# KiCad board Env-KB60F.kicad_pcb (continued)
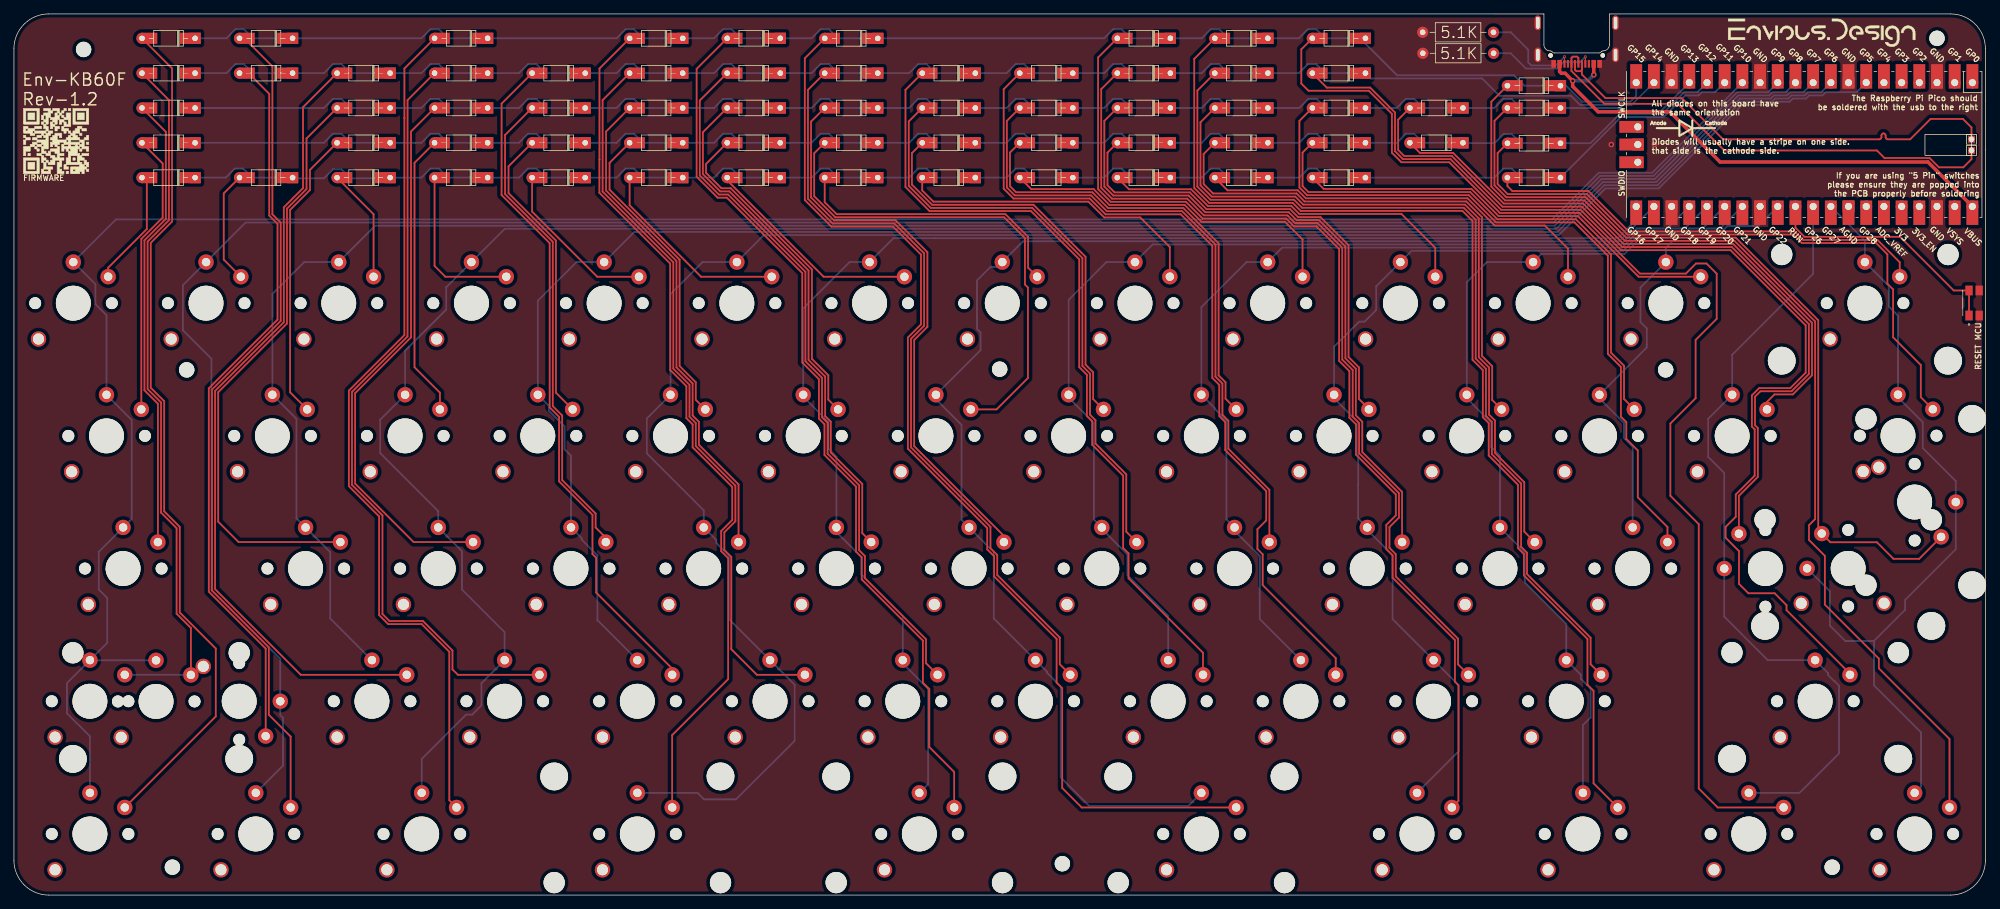
[diagram p0: board, top side]
## Nets (continued)
Net-(D_59-Pad2): D_59.2 K_61.2
Net-(D_60-Pad2): D_60.2 K_62.2
Net-(D_61-Pad2): D_61.2 K_63.2
Net-(D_62-Pad2): D_62.2 K_64.2
Net-(D_63-Pad2): D_63.2 K_65.2
Net-(D_590-Pad2): D_590.2 K_610.2
Net-(D_591-Pad2): D_591.2 K_612.2

Pads without a net: U1 1 2 4 5 6 33 34 35 36 37 39 41 42 43; USB1 A8 B8

## Via types
v1: diameter 0.8, hole 0.4, Top to Bottom, 4 vias
v2: diameter 0.4, hole 0.2, Top to Bottom, 2 vias

## Routing (per net, layer and track width the routed paths; a pad name or vN(x,y) marks a point on that pad's centre or on a via; arc(x,y) is an arc through that point)
GND:
  vias: v1(229.3,107.75) v1(235.5,107.75)
VBUS: length 73.8
  Top w0.5: v1(226.79,117.77) 226.77,117.78 USB1.A4 ; U1.40 274.75,105.24 244.92,105.24 237.71,112.45 227.41,112.45 223.75,116.11 v1(223.75,116.9) 222.67,117.98 222.12,117.98 221.88,118.22 USB1.A9
  Bottom w0.5: v1(226.79,117.77) 225.92,116.9 v1(223.75,116.9)
col0: length 345.6
  Bottom w0.25: U1.14 235.17,103.7 227.5,103.7 220.8,97 14.65,97 K_1.1 11.7,87.7 11.7,84.83 13.29,83.24 K_15.1 16.9,68.21 16.9,54.01 K_30.1 12.17,49.28 12.17,43.88 13.4,42.65 13.4,36.22 K_45.1 7.62,30.44 7.62,26.07 10.91,22.79 K_58.1 ; K_44.1 10.93,33.7
col1: length 321.4
  Bottom w0.25: K_59.1 38.62,18.58 38.62,25.43 38.24,25.81 K_46.1 38.24,33.89 28.35,43.78 28.35,77 24.25,81.1 24.25,87.55 K_2.1 33.25,96.55 221,96.55 227.7,103.25 235.36,103.25 247.36,115.25 251.8,115.25 U1.12
col2: length 289.7
  Bottom w0.25: U1.11 254.34,115.25 252.44,115.25 251.99,114.8 247.54,114.8 235.54,102.8 227.89,102.8 221.19,96.1 51.85,96.1 K_3.1 41.67,90.88 37.1,86.3 K_16.1 40.55,68.38 40.55,54.09 K_31.1 45.4,49.24 45.4,39.71 K_47.1
col3: length 297.7
  Bottom w0.25: K_60.1 58.53,19.53 64.91,25.91 65.79,25.91 67.1,27.22 67.1,30.39 K_48.1 70.44,37.74 64.32,43.85 64.32,49.36 K_32.1 60.91,55.11 52.57,63.45 52.57,68.25 K_17.1 56.15,78.15 62.05,84.05 62.05,87.25 K_4.1 70.45,95.65 221.38,95.65 228.08,102.35 235.73,102.35 247.73,114.35 252.17,114.35 252.62,114.8 254.53,114.8 254.98,115.25 256.88,115.25 U1.10
col4: length 256.1
  Bottom w0.25: K_49.1 83.75,39.46 83.75,48.78 81.5,51.03 81.5,51.24 K_33.1 79.96,63.09 79.03,64.03 79.03,67.3 76.8,69.53 76.8,70.22 K_18.1 75.2,85.33 80.75,90.88 K_5.1 89.05,95.2 221.57,95.2 228.27,101.9 235.92,101.9 247.92,113.9 252.36,113.9 252.81,114.35 254.71,114.35 255.16,114.8 257.07,114.8 257.52,115.25 259.42,115.25 U1.9
col5: length 285
  Bottom w0.25: K_610.1 98.12,14.68 99.06,13.74 103.66,13.74 112.07,22.15 112.07,30.19 K_50.1 102.72,39.54 102.72,48.66 100.83,50.55 100.83,50.96 K_34.1 99.01,55.24 90.85,63.4 90.85,68.42 K_19.1 94.25,86.28 98.85,90.88 K_6.1 107.65,94.75 221.75,94.75 228.45,101.45 236.1,101.45 248.1,113.45 252.55,113.45 253,113.9 254.9,113.9 255.35,114.35 257.25,114.35 257.7,114.8 259.61,114.8 260.06,115.25 264.5,115.25 U1.7
col6: length 202.8
  Bottom w0.25: K_51.1 127.59,40.09 121.65,46.03 121.65,48.53 118.06,52.11 ; U1.21 232.87,96.96 230.21,94.3 221.94,94.3 221.94,94.3 220.8,94.3 132.2,94.3 126.25,94.3 K_7.1 119.95,90.88 113.3,84.22 K_20.1 ; K_61.1 131.22,15.93 131.22,29.62 127.59,33.26 ; 113.3,71.55 116.93,67.92 116.93,64.08 118.06,62.94 K_35.1
col7: length 205.2
  Bottom w0.25: U1.22 230.4,93.85 144.85,93.85 K_8.1 141.18,90.17 140.18,90.17 138.25,88.25 138.25,81.28 138.76,80.76 138.76,78.24 K_21.1 ; 132.35,71.17 136.03,67.5 136.03,53.86 K_36.1 140.65,49.24 140.65,39.71 K_52.1 148.3,32.06 148.3,31.9 150.25,29.95 150.25,16.9 154.35,12.8 168.57,12.8 K_612.1
col8: length 151.7
  Bottom w0.25: K_53.1 165.69,40.06 159.85,45.9 159.85,48.88 156.16,52.56 ; U1.24 237.33,95.7 232.95,95.7 230.65,93.4 224.55,93.4 163.45,93.4 K_9.1 156.82,90.88 151.4,85.45 K_22.1 ; K_37.1 155.03,53.91 155.03,67.78 151.4,71.4
col9: length 134.7
  Bottom w0.25: U1.25 239.87,95.7 237.97,95.7 237.52,95.25 233.14,95.25 230.84,92.95 226.95,92.95 182.05,92.95 K_10.1 176.93,90.88 170.45,84.4 K_23.1 172.35,69.92 172.35,69.83 174.05,68.12 174.05,53.94 K_38.1 ; 175.21,52.29 178.82,48.67 178.82,39.64 K_54.1
col10: length 139.5
  Bottom w0.25: K_62.1 207.4,20.67 207.4,30.11 K_55.1 197.9,39.61 197.9,48.8 194.26,52.44 ; K_39.1 192.95,54.09 192.95,58.92 192.98,58.95 192.98,67.83 189.5,71.3 ; K_24.1 189.5,78.72 193.1,82.33 193.88,82.33 195.55,84 195.55,87.4 K_11.1 200.65,92.5 231.02,92.5 233.32,94.8 237.7,94.8 238.15,95.25 240.06,95.25 240.51,95.7 242.41,95.7 U1.26
col11: length 124.7
  Bottom w0.25: K_25.1 208.55,87.97 211.45,90.88 K_12.1 219.25,92.05 231.21,92.05 233.51,94.35 237.89,94.35 238.34,94.8 240.24,94.8 240.69,95.25 242.6,95.25 243.05,95.7 244.95,95.7 U1.27 ; 208.55,71.33 212.05,67.83 212.05,64.35 213.31,63.09 K_40.1 216.88,49.21 216.88,44.9 222.84,38.94 K_56.1 224.93,31.64 224.93,31.05 226.32,29.65 226.32,25.5 225.22,24.39 K_63.1
col12: length 64.8
  Bottom w0.25: K_41.1 232.36,64.39 231.12,65.62 231.12,67.78 227.6,71.3 ; U1.29 250.38,96.05 245.94,96.05 245.14,95.25 243.25,95.25 242.8,94.8 241.18,94.8 240.88,94.8 240.43,94.35 238.55,94.35 237.12,92.93 K_13.1 233.48,87.22 233.48,82.28 234.4,81.35 234.4,79.05 234.38,79.03 234.38,78.6 K_26.1
col13: length 111.9
  Bottom w0.25: U1.31 258.27,89.19 246.65,77.58 K_27.1 243.2,68.38 243.2,62.9 245.51,60.59 K_42.1 245.51,39.96 251.75,33.72 K_57.1 260.43,31.86 260.43,31.58 261.32,30.68 261.38,30.68 261.98,30.07 261.98,20.32 256.32,14.68 K_64.1
col14: length 116.1
  Bottom w0.25: 267,36.47 267,30.1 273.75,23.35 273.75,15.58 K_65.1 ; 267,36.47 262.88,36.47 260.68,38.67 260.68,43.62 K_29.1 ; 267,36.47 271.48,40.95 271.48,42.38 278.74,49.64 K_43.1 278.74,59.43 274,64.17 274,67.9 270.45,71.45 ; U1.32 265.7,93.97 K_14.1 269.12,87.45 269.12,84.5 270.45,83.17 K_28.1
row0: length 239.2
  Bottom w0.25: 25.9,103 30.4,103 31.7,104.3 32.9,104.3 34.2,103 39.9,103 ; 40,102.9 44.5,102.9 45.8,104.2 47,104.2 48.3,102.9 54,102.9 ; U1.15 244.18,115.25 242.28,115.25 241.83,114.8 239.92,114.8 236.82,111.7 236,111.7 230.7,111.7 D_14.1 216.3,103 215,104.3 213.8,104.3 212.5,103 D_13.1 188.3,103 187,104.3 185.8,104.3 184.5,103 D_12.1 174.3,103 173,104.3 171.8,104.3 170.5,103 D_11.1 160.3,103 159,104.3 157.8,104.3 156.5,103 D_10.1 146.3,103 145,104.3 143.8,104.3 142.5,103 D_9.1 132.3,103 131,104.3 129.8,104.3 128.5,103 D_8.1 118.3,103 117,104.3 115.8,104.3 114.5,103 D_7.1 104.3,103 103,104.3 101.8,104.3 100.5,103 D_6.1 90.3,103 89,104.3 87.8,104.3 86.5,103 D_5.1 76.3,103 75,104.3 73.8,104.3 72.5,103 D_4.1 62.3,103 61,104.3 59.8,104.3 58.5,103 D_3.1
row1: length 234.6
  Bottom w0.25: D_27.1 202.3,108 201,109.3 199.8,109.3 198.5,108 D_26.1 188.3,108 187,109.3 185.8,109.3 184.5,108 D_25.1 174.3,108 173,109.3 171.8,109.3 170.5,108 D_24.1 160.3,108 159,109.3 157.8,109.3 156.5,108 D_23.1 146.3,108 145,109.3 143.8,109.3 142.5,108 D_22.1 132.3,108 131,109.3 129.8,109.3 128.5,108 D_21.1 118.3,108 117,109.3 115.8,109.3 114.5,108 D_20.1 104.3,108 103,109.3 101.8,109.3 100.5,108 D_19.1 90.3,108 89,109.3 87.8,109.3 86.5,108 D_18.1 76.3,108 75,109.3 73.8,109.3 72.5,108 D_17.1 62.3,108 61,109.3 59.8,109.3 58.5,108 D_16.1 48.3,108 47,109.3 45.8,109.3 44.5,108 D_15.1 ; 208.02,107.95 212.52,107.95 213.82,109.25 215.02,109.25 216.32,107.95 222.02,107.95 ; U1.16 241.64,115.25 239.74,115.25 236.64,112.15 230.51,112.15 226.3,107.94 D_28.1
row2: length 230.3
  Bottom w0.25: D_29.1 44.5,113 45.8,114.3 47,114.3 48.3,113 D_30.1 58.5,113 59.8,114.3 61,114.3 62.3,113 D_31.1 72.5,113 73.8,114.3 75,114.3 76.3,113 D_32.1 86.5,113 87.8,114.3 89,114.3 90.3,113 D_33.1 100.5,113 101.8,114.3 103,114.3 104.3,113 D_34.1 114.5,113 115.8,114.3 117,114.3 118.3,113 D_35.1 128.5,113 129.8,114.3 131,114.3 132.3,113 D_36.1 142.5,113 143.8,114.3 145,114.3 146.3,113 D_37.1 156.5,113 157.8,114.3 159,114.3 160.3,113 D_38.1 170.5,113 171.8,114.3 173,114.3 174.3,113 D_39.1 184.5,113 185.8,114.3 187,114.3 188.3,113 D_40.1 198.5,113 199.8,114.3 201,114.3 202.3,113 D_41.1 212.5,113 213.8,114.3 215,114.3 216.3,113 D_42.1 230.15,113 230.55,112.6 236.45,112.6 U1.17
row3: length 225.5
  Bottom w0.25: D_43.1 30.5,118 31.8,119.3 33,119.3 34.3,118 D_44.1 44.5,118 45.8,119.3 47,119.3 48.3,118 D_45.1 58.5,118 59.8,119.3 61,119.3 62.3,118 D_46.1 72.5,118 73.8,119.3 75,119.3 76.3,118 D_47.1 86.5,118 87.8,119.3 89,119.3 90.3,118 D_48.1 100.5,118 101.8,119.3 103,119.3 104.3,118 D_49.1 114.5,118 115.8,119.3 117,119.3 118.3,118 D_50.1 128.5,118 129.8,119.3 131,119.3 132.3,118 D_51.1 142.5,118 143.8,119.3 145,119.3 146.3,118 D_52.1 156.5,118 157.8,119.3 159,119.3 160.3,118 D_53.1 170.5,118 171.8,119.3 173,119.3 174.3,118 D_54.1 184.44,118 185.74,119.3 186.94,119.3 188.24,118 D_55.1 194.76,117.24 210.76,117.24 213.25,114.75 223.5,114.75 224.8,113.45 232.22,113.45 U1.19
row4: length 221.9
  Bottom w0.25: U1.20 232.87,114.74 232.03,113.9 225.1,113.9 222.8,116.2 D_63.1 216.82,116.2 215.33,117.69 198.55,117.69 194,122.24 D_62.1 188.24,123 186.94,124.3 185.74,124.3 184.44,123 D_61.1 174.3,123 173,124.3 171.8,124.3 170.5,123 D_60.1 160.3,123 159,124.3 157.8,124.3 156.5,123 118.31,123 117.01,124.3 115.81,124.3 114.51,123 D_59.1 104.3,123 103,124.3 101.8,124.3 100.5,123 96,123 ; D_56.1 30.5,123 31.8,124.3 33,124.3 34.3,123 D_57.1 58.5,123 59.8,124.3 61,124.3 62.3,123 D_58.1 86.5,123 87.8,124.3 89,124.3 90.3,123 95.99,123
RUNPIN: length 33.2
  Top w0.25: SW1.1 SW1.1' 278.45,86.8 270.75,94.5 257.02,94.5 255.73,95.8 255.73,96.77
USB2_N: length 70.3
  Top w0.15: 225.07,118.59 USB1.B7 ; USB1.A7 224.07,118.59
  Top w0.25: USB1.A7 224.07,118.49 224.29,118.28 224.86,118.28 225.07,118.49 USB1.B7 225.07,117.81 228.46,114.42 239.42,114.42 245.34,108.5 267.77,108.5 arc(267.99,108.59) 268.07,108.8 268.07,109.05 arc(268.16,109.26) 268.38,109.35 arc(268.59,109.26) 268.68,109.05 268.68,108.8 arc(268.76,108.59) 268.98,108.5 272.2,108.5 275.12,111.42 279.77,111.42 281,110.2 J1.1
USB2_P: length 70.5
  Top w0.15: 224.5,120.16 224.57,120.09 USB1.A6 ; USB1.B6 223.57,120.09 223.65,120.16
  Top w0.25: J2.1 281,105.65 279.82,104.47 276.33,104.47 274.99,105.81 268.51,105.81 267.42,106.9 245.51,106.9 238.81,113.6 228.29,113.6 223.57,118.31 USB1.B6 223.57,120.19 223.76,120.37 224.39,120.37 224.57,120.19 USB1.A6
Net-(5.1K1-Pad1): length 15.8
  Top w0.15: USB1.A5 v2(225.57,120.35)
  Bottom w0.25: v2(225.57,120.35) 224.83,119.61 222.46,119.61 221.52,118.66 217.04,118.66 214.85,120.85 5.1K1.1
Net-(5.1K2-Pad2): length 14.8
  Top w0.15: v2(222.58,120.36) 222.57,120.35 USB1.B5
  Bottom w0.25: 5.1K2.2 214.87,123.86 217.37,121.36 217.37,119.54 217.8,119.11 221.33,119.11 v2(222.58,120.36)
Net-(D_1-Pad2): length 16.5
  Top w0.25: D_1.2 19.08,95.62 13.53,90.07 13.53,88.78
Net-(D_2-Pad2): length 16.2
  Top w0.25: 32.58,88.78 30.11,91.23 30.11,100.73 D_2.2
Net-(D_3-Pad2): length 16.4
  Top w0.25: 51.62,88.78 51.62,97.75 D_3.2
Net-(D_4-Pad2): length 23.6
  Top w0.25: D_4.2 60.38,90.32 61.93,88.78 70.68,88.78
Net-(D_5-Pad2): length 24.1
  Top w0.25: 89.72,88.78 83.72,88.78 74.38,98.12 D_5.2
Net-(D_6-Pad2): length 28.6
  Top w0.25: D_6.2 88.38,99.03 98.63,88.78 108.78,88.78
Net-(D_7-Pad2): length 31.2
  Top w0.25: 102.38,102.62 116.22,88.78 127.82,88.78
Net-(D_8-Pad2): length 41
  Top w0.25: D_8.2 116.38,99.47 118.09,97.75 142.32,97.75 145.57,94.5 145.57,90.08 146.88,88.78
Net-(D_9-Pad2): length 45
  Top w0.25: D_9.2 130.38,101.16 131.98,99.55 154.24,99.55 156.51,97.28 161.67,97.28 165.93,93.03 165.93,88.78
Net-(D_10-Pad2): length 49.6
  Top w0.25: D_10.2 146.03,101.35 154.98,101.35 157.25,99.08 168.05,99.08 170.45,96.68 182.44,96.68 184.98,94.14 184.98,88.78
Net-(D_11-Pad2): length 54
  Top w0.25: 204.02,88.78 204.02,92.92 199.17,97.78 184.52,97.78 183.37,98.93 171.38,98.93 168.98,101.33 160.06,101.33 D_11.2
Net-(D_12-Pad2): length 58.9
  Top w0.25: 223.07,88.78 223.07,92.8 219.75,96.13 212.57,96.13 208.67,100.03 185.45,100.03 184.3,101.17 174.21,101.17 D_12.2
Net-(D_13-Pad2): length 61.6
  Top w0.25: D_13.2 188,101.38 209.22,101.38 213.12,97.48 224.51,97.48 233.21,88.78 242.12,88.78
Net-(D_14-Pad2): length 64.1
  Top w0.25: 270.7,88.78 270.7,90.85 267.5,94.05 256.84,94.05 255.61,95.28 231.8,95.28 226,101.07 215.1,101.08 214.38,101.8 D_14.2
Net-(D_15-Pad2): length 40.8
  Top w0.25: D_15.2 21.35,105.03 21.35,97.26 18.29,94.2 K_15.2
Net-(D_16-Pad2): length 42.1
  Top w0.25: K_16.2 39.64,72.19 39.64,98.37 42.5,101.23 42.5,104.12 D_16.2
Net-(D_17-Pad2): length 41
  Top w0.25: K_17.2 61.15,72.12 57.5,75.78 57.5,105.12 D_17.2
Net-(D_18-Pad2): length 43.5
  Top w0.25: K_18.2 77.8,72.12 77.8,93.97 71,100.77 71,104.62 D_18.2
Net-(D_19-Pad2): length 45.2
  Top w0.25: K_19.2 97.87,71.1 97.87,73.63 95.55,75.95 95.55,91.22 85.5,101.27 85.5,105.12 D_19.2
Net-(D_20-Pad2): length 48.2
  Top w0.25: D_20.2 99.35,104.97 99.35,103.69 101.56,101.47 102.89,101.47 114.55,89.81 114.55,76.97 116.9,74.63 116.9,71.13 K_20.2
Net-(D_21-Pad2): length 71.4
  Top w0.25: D_21.2 114.88,106.5 114.88,100.34 117.91,97.3 142.13,97.3 145.13,94.31 145.13,87.65 145.55,87.23 145.55,74.22 141.05,69.72 K_21.2
Net-(D_22-Pad2): length 58.8
  Top w0.25: K_22.2 154.92,71.21 154.92,75.06 153.82,76.15 153.82,91.64 146.36,99.1 131.8,99.1 128.9,102 128.9,106.52 D_22.2
Net-(D_23-Pad2): length 65
  Top w0.25: D_23.2 142.97,106.59 142.97,101.78 143.85,100.9 154.8,100.9 157.07,98.63 167.86,98.63 172.92,93.57 172.92,74.61 173.92,73.61 173.92,71.25 K_23.2
Net-(D_24-Pad2): length 69.6
  Top w0.25: D_24.2 156.97,106.59 156.97,101.9 158,100.88 168.8,100.88 171.19,98.48 183.18,98.48 184.33,97.33 187.55,97.33 191.57,93.3 191.57,77.25 193.07,75.75 193.07,71.23 194.5,69.8
Net-(D_25-Pad2): length 77.3
  Top w0.25: D_25.2 170.78,106.4 170.78,102.08 172.12,100.73 184.11,100.73 185.26,99.58 208.48,99.58 210.73,97.33 210.73,77.4 212.2,75.93 212.2,71.08 K_25.2
Net-(D_26-Pad2): length 78.8
  Top w0.25: 232.6,69.75 231.12,71.23 231.12,76 229.25,77.88 229.25,91.97 224.2,97.03 212.94,97.03 209.04,100.93 185.82,100.93 184.98,101.78 184.98,106.59 D_26.2
Net-(D_27-Pad2): length 85.1
  Top w0.25: D_27.2 201.83,106.55 206.59,106.55 213.87,99.28 225.26,99.28 231.06,93.48 246.79,93.48 258.1,82.16 258.1,74.62 255.36,71.88 252.72,71.88 251.65,70.81 K_27.2
Net-(D_28-Pad2): length 91.5
  Top w0.25: K_28.2 273.73,71.47 273.73,76.1 269.75,80.08 269.75,86.95 268.93,87.78 268.93,91.99 267.31,93.6 256.65,93.6 255.43,94.83 231.61,94.83 225.81,100.63 214.42,100.63 212.98,102.08 212.98,106.52 D_28.2
Net-(D_29-Pad2): length 65.8
  Top w0.25: K_30.2 20.67,70.53 18.74,72.46 18.74,94.01 21.8,97.07 21.8,109.58 D_29.2
Net-(D_30-Pad2): length 85.2
  Top w0.25: K_31.2 32.25,50.67 29.32,53.6 29.32,72.19 39.19,82.06 39.19,98.55 42,101.36 42,108.62 D_30.2
Net-(D_31-Pad2): length 79.1
  Top w0.25: D_31.2 57,109.62 57,80.08 48.97,72.05 48.97,59.08 57.38,50.67 K_32.2
Net-(D_32-Pad2): length 69.3
  Top w0.25: D_32.2 70.5,109.12 70.5,100.64 77.35,93.79 77.35,70.2 78.7,68.85 78.7,59.58 83.5,54.78 83.5,52.78 84.96,51.31
Net-(D_33-Pad2): length 71.6
  Top w0.25: K_34.2 104.01,58.96 98.32,64.65 98.32,67.95 97.43,68.85 97.43,73.44 95.1,75.76 95.1,91.04 85,101.14 85,109.62 D_33.2
Net-(D_34-Pad2): length 74.6
  Top w0.25: K_35.2 121.77,51.96 121.77,59.03 117.25,63.55 117.25,67.97 116.45,68.78 116.45,74.44 114.06,76.83 114.06,89.67 102.7,101.03 101.38,101.03 98.9,103.5 98.9,109.52 D_34.2
Net-(D_35-Pad2): length 80.5
  Top w0.25: D_35.2 114.43,111.05 114.43,100.15 117.72,96.85 126.57,96.85 131.12,92.3 131.12,81.58 129.22,79.67 129.22,64.45 142.11,51.56
Net-(D_36-Pad2): length 85.2
  Top w0.25: K_37.2 159.67,52.16 159.67,60.4 155.25,64.83 155.25,68.17 154.47,68.96 154.47,74.87 153.38,75.96 153.38,91.45 146.17,98.65 131.61,98.65 128.45,101.81 128.45,111.07 D_36.2
Net-(D_37-Pad2): length 91.4
  Top w0.25: D_37.2 142.53,111.15 142.53,101.59 143.66,100.45 154.61,100.45 156.88,98.18 167.68,98.18 172.47,93.38 172.47,74.42 173.47,73.42 173.47,68.95 174.32,68.1 174.32,64.08 180.21,58.19 K_38.2
Net-(D_38-Pad2): length 96
  Top w0.25: K_39.2 199.26,57.89 193.55,63.6 193.55,67.95 192.62,68.88 192.62,75.56 191.13,77.06 191.13,93.11 187.36,96.88 184.15,96.88 183,98.03 171.01,98.03 168.61,100.43 157.81,100.43 156.53,101.71 156.53,111.15 D_38.2
Net-(D_39-Pad2): length 103.7
  Top w0.25: D_39.2 170.33,110.95 170.33,101.89 171.94,100.28 183.93,100.28 185.08,99.13 208.29,99.13 210.28,97.15 210.28,77.21 211.75,75.74 211.75,68.98 212.6,68.13 212.6,63.48 216.8,59.28 216.8,52.19 K_40.2
Net-(D_40-Pad2): length 105.2
  Top w0.25: K_41.2 237.36,52.84 233.1,57.1 233.1,63.83 231.45,65.47 231.45,67.9 230.68,68.67 230.68,75.81 228.8,77.69 228.8,91.79 224.01,96.58 212.75,96.58 208.85,100.48 185.64,100.48 184.53,101.59 184.53,111.15 D_40.2
Net-(D_41-Pad2): length 113.2
  Top w0.25: D_41.2 198.7,111.32 198.7,106.97 199.57,106.1 206.41,106.1 213.68,98.83 225.07,98.83 230.87,93.03 246.6,93.03 257.65,81.98 257.65,74.81 255.17,72.33 250.7,72.33 249.93,71.55 249.93,67.45 250.32,67.05 250.32,60.03 247.61,57.31 K_42.2
Net-(D_42-Pad2): length 116.5
  Top w0.25: D_42.2 212.53,111.15 212.53,101.89 214.24,100.18 225.63,100.18 225.89,99.91 231.43,94.38 247.16,94.38 259,82.54 259,52.4 ; K_43.2 273.49,48.28 269.8,48.28 267.43,50.65 260.75,50.65 K_29.2
Net-(D_43-Pad2): length 101.3
  Top w0.25: D_43.2 22.25,114.13 22.25,96.89 19.19,93.82 19.19,72.65 21.12,70.72 21.12,54.91 23.35,52.67 23.35,40.39 25.4,38.34 K_44.2
  Bottom w0.25: K_45.2 25.38,31.62
Net-(D_44-Pad2): length 104.4
  Top w0.25: 33.67,118 36.65,115.02 36.65,97.55 37.84,96.36 37.84,82.61 27.97,72.75 27.97,43.55 36.14,35.39 K_46.2
Net-(D_45-Pad2): length 113.9
  Top w0.25: K_47.2 41.17,31.62 28.87,43.92 28.87,72.38 38.74,82.24 38.74,98.74 41.5,101.5 41.5,113.12 D_45.2
Net-(D_46-Pad2): length 112.1
  Top w0.25: D_46.2 56.5,114.12 56.5,80.21 48.53,72.24 48.53,58.89 52.9,54.51 52.9,40.35 53.9,39.35 58.71,39.35 62.95,35.11 62.95,32.4 63.72,31.62 K_48.2
Net-(D_47-Pad2): length 97.4
  Top w0.25: D_47.2 70,113.62 70,100.5 76.9,93.6 76.9,70.01 78.25,68.66 78.25,59.39 83.05,54.59 83.05,48.95 83.57,48.42 83.57,43.42 94.49,32.51
Net-(D_48-Pad2): length 105.4
  Top w0.25: K_50.2 106.65,31.62 102.97,35.3 102.97,48.55 101.97,49.55 101.97,52.08 103.56,53.66 103.56,58.78 97.88,64.46 97.88,67.76 96.98,68.66 96.98,73.25 94.65,75.58 94.65,90.85 84.5,101 84.5,114.12 D_48.2
Net-(D_49-Pad2): length 102.9
  Top w0.25: K_51.2 130.92,33.29 130.92,36.73 122.15,45.5 122.15,48.67 121.32,49.5 121.32,58.84 116.8,63.36 116.8,67.79 116,68.59 116,74.25 113.61,76.64 113.61,89.48 102.52,100.58 101.19,100.58 98.45,103.31 98.45,114.07 D_49.2
Net-(D_50-Pad2): length 109.7
  Top w0.25: D_50.2 113.98,115.6 113.98,99.96 117.53,96.41 126.38,96.41 130.65,92.14 130.65,81.74 128.78,79.86 128.78,64.26 140.18,52.86 140.18,49.8 141.15,48.83 141.15,45.95 150.12,36.98 150.12,33.14 K_52.2
Net-(D_51-Pad2): length 113.6
  Top w0.25: D_51.2 127.97,115.59 127.97,101.65 131.43,98.2 145.99,98.2 152.93,91.26 152.93,75.78 154.02,74.68 154.02,68.77 154.78,68.01 154.78,64.66 159.22,60.21 159.22,49.83 160,49.05 160,45.47 170.69,34.79 K_53.2
Net-(D_52-Pad2): length 120.9
  Top w0.25: K_54.2 189.74,34.01 179.25,44.5 179.25,48.92 178.5,49.67 178.5,52.53 179.76,53.79 179.76,58 173.88,63.89 173.88,67.91 173.03,68.76 173.03,73.24 172.03,74.24 172.03,93.2 167.49,97.73 156.7,97.73 154.42,100 143.48,100 142.08,101.4 142.08,115.7 D_52.2
Net-(D_53-Pad2): length 125.5
  Top w0.25: D_53.2 156.08,115.7 156.08,101.53 157.63,99.98 168.42,99.98 170.82,97.58 182.81,97.58 183.96,96.43 187.17,96.43 190.68,92.93 190.68,76.88 192.18,75.38 192.18,68.69 193.1,67.76 193.1,63.41 198.81,57.7 198.81,54.19 197.45,52.83 197.45,49.85 198.35,48.95 198.35,45.75 207.3,36.8 207.3,33.11 K_55.2
Net-(D_54-Pad2): length 132
  Top w0.25: K_56.2 226.32,33.14 226.32,36.95 217.2,46.08 217.2,49.15 216.35,50 216.35,59.09 212.15,63.29 212.15,67.94 211.3,68.79 211.3,75.55 209.83,77.03 209.83,96.96 208.11,98.68 184.89,98.68 183.74,99.83 171.75,99.83 169.88,101.7 169.88,115.5 D_54.2
Net-(D_55-Pad2): length 156.4
  Top w0.25: 263.56,31.79 254.45,40.9 254.45,41.62 252.75,43.33 248.98,43.33 247.62,44.67 247.62,49.38 245.7,51.3 245.7,52.85 247.16,54.31 247.16,57.5 249.88,60.21 249.88,66.86 249.48,67.26 249.48,71.74 250.51,72.77 254.98,72.77 257.2,74.99 257.2,81.79 246.41,92.58 230.68,92.58 224.88,98.38 213.49,98.38 206.22,105.65 199.39,105.65 198.25,106.79 198.25,112.35 194.67,115.92 188.45,115.92 D_55.2
Net-(D_56-Pad2): length 122.8
  Top w0.25: K_58.2 28.97,25.64 28.97,35.4 23.8,40.58 23.8,52.86 21.57,55.09 21.57,70.9 19.64,72.84 19.64,93.64 22.7,96.7 22.7,118.68 D_56.2
Net-(D_57-Pad2): length 121.3
  Top w0.25: K_59.2 39.72,22.76 36.59,25.89 36.59,35.57 28.42,43.74 28.42,72.56 38.29,82.43 38.29,96.55 37.1,97.74 37.1,118.97 D_57.2
Net-(D_58-Pad2): length 124.7
  Top w0.25: K_60.2 62.5,13.61 62.5,34.93 58.53,38.9 53.71,38.9 52.43,40.19 52.43,54.35 48.08,58.7 48.08,72.42 56.05,80.4 56.05,111.58 56.05,118.67 D_58.2
Net-(D_59-Pad2): length 128.3
  Top w0.25: D_59.2 98,118.62 98,103.13 101,100.13 102.33,100.13 113.16,89.29 113.16,76.46 115.55,74.07 115.55,68.4 116.35,67.6 116.35,63.18 120.88,58.65 120.88,49.31 121.7,48.49 121.7,45.31 130.47,36.54 130.47,30.5 131.4,29.57 131.4,21.25 134.97,17.68 K_61.2
Net-(D_60-Pad2): length 149.7
  Top w0.25: D_60.2 155.63,120.25 155.63,101.34 157.44,99.53 168.24,99.53 170.63,97.13 182.62,97.13 183.77,95.98 186.99,95.98 190.23,92.74 190.23,76.69 191.7,75.22 191.7,68.53 192.65,67.58 192.65,63.23 198.36,57.52 198.36,54.5 197,53.14 197,49.66 197.9,48.76 197.9,45.56 206.85,36.61 206.85,30.62 207.35,30.12 207.35,13.52 K_62.2
Net-(D_61-Pad2): length 157.5
  Top w0.25: K_63.2 226.75,16.04 226.75,29.32 225.88,30.2 225.88,36.76 216.75,45.89 216.75,48.96 215.9,49.81 215.9,58.9 211.7,63.1 211.7,67.75 210.85,68.6 210.85,75.37 209.38,76.84 209.38,96.77 207.92,98.23 184.7,98.23 183.56,99.38 171.57,99.38 169.43,101.52 169.43,120.05 D_61.2
Net-(D_62-Pad2): length 174.2
  Top w0.25: K_64.2 244.57,12.57 241.85,15.3 241.85,53.25 237.77,57.33 237.77,67.7 241.4,71.33 241.4,79.7 244.43,82.72 244.43,89.2 242.96,90.67 241.45,90.67 240,89.22 233.4,89.22 224.7,97.93 213.31,97.93 206.03,105.2 199.17,105.2 197.8,106.57 197.8,112.16 194.48,115.48 185.82,115.48 184.8,116.5 184.8,121.42 D_62.2
Net-(D_63-Pad2): length 148.4
  Top w0.25: K_65.2 277.84,22.41 267.7,32.55 267.7,33.95 259.95,41.7 259.95,48.7 257.68,50.97 257.68,53.1 258.55,53.98 258.55,82.35 246.97,93.93 231.24,93.93 225.44,99.73 214.05,99.73 212.08,101.7 212.08,113.9 D_63.2
Net-(D_590-Pad2): length 124.5
  Top w0.25: K_610.2 94.49,22.96 102.53,31 102.53,48.36 101.53,49.36 101.53,52.26 103.11,53.85 103.11,58.59 97.43,64.28 97.43,67.58 96.53,68.48 96.53,73.07 94.2,75.39 94.2,90.66 84.04,100.83 84.04,105.58 84.05,105.59 84.05,118.66 D_590.2
Net-(D_591-Pad2): length 157
  Top w0.25: K_612.2 153.28,12.57 150.47,15.38 150.47,29.7 149.68,30.5 149.68,36.78 140.7,45.75 140.7,48.64 139.71,49.63 139.71,52.69 128.33,64.08 128.33,80.05 130.2,81.92 130.2,91.95 126.2,95.96 117.34,95.96 113.53,99.77 113.53,120.14 D_591.2

## Copper pours and planes (outline as drawn; the poured copper is in the pictures)
GND on Top, Bottom: 283,0 0,0 0,126.6 283,126.6

## Text on the board
B.Silkscreen: https://github.com/Envious-Data/Env-KB60F | Parts Needed: / 70x 1n4148 Diodes / 2x  5.1K 1/4W resistors / 70x switches / 7x  2u Kailh Choc stabilizers (or 1x6.25u + 4x 2u stabs) / 1x  Raspberry Pi Pico / 2x  1x20 Male and/or female headers / 10x M2 mounting hardware. / 1x Type-C-31-M-14
F.Silkscreen: FIRMWARE | All diodes on this board have / the same orientation | Diodes will usually have a stripe on one side. / that side is the cathode side. | The Raspberry Pi Pico should / be soldered with the usb to the right | If you are using "5 Pin" switches / please ensure they are popped into / the PCB properly before soldering | RESET MCU | 5.1K | Env-KB60F / Rev-1.2
